# Altium PCB board.PcbDoc (part 2 of 2)
Units mm, origin at the board's own origin, x right, y up, seen from the top; angles counter-clockwise.
Board outline 58 x 79 mm, 2 copper layers (Top Layer, Bottom Layer), stack 0.97 mm thick; 229 components, 199 nets, 681 pads, 81 vias.
Unrouted connection lines stored in the file: 8.
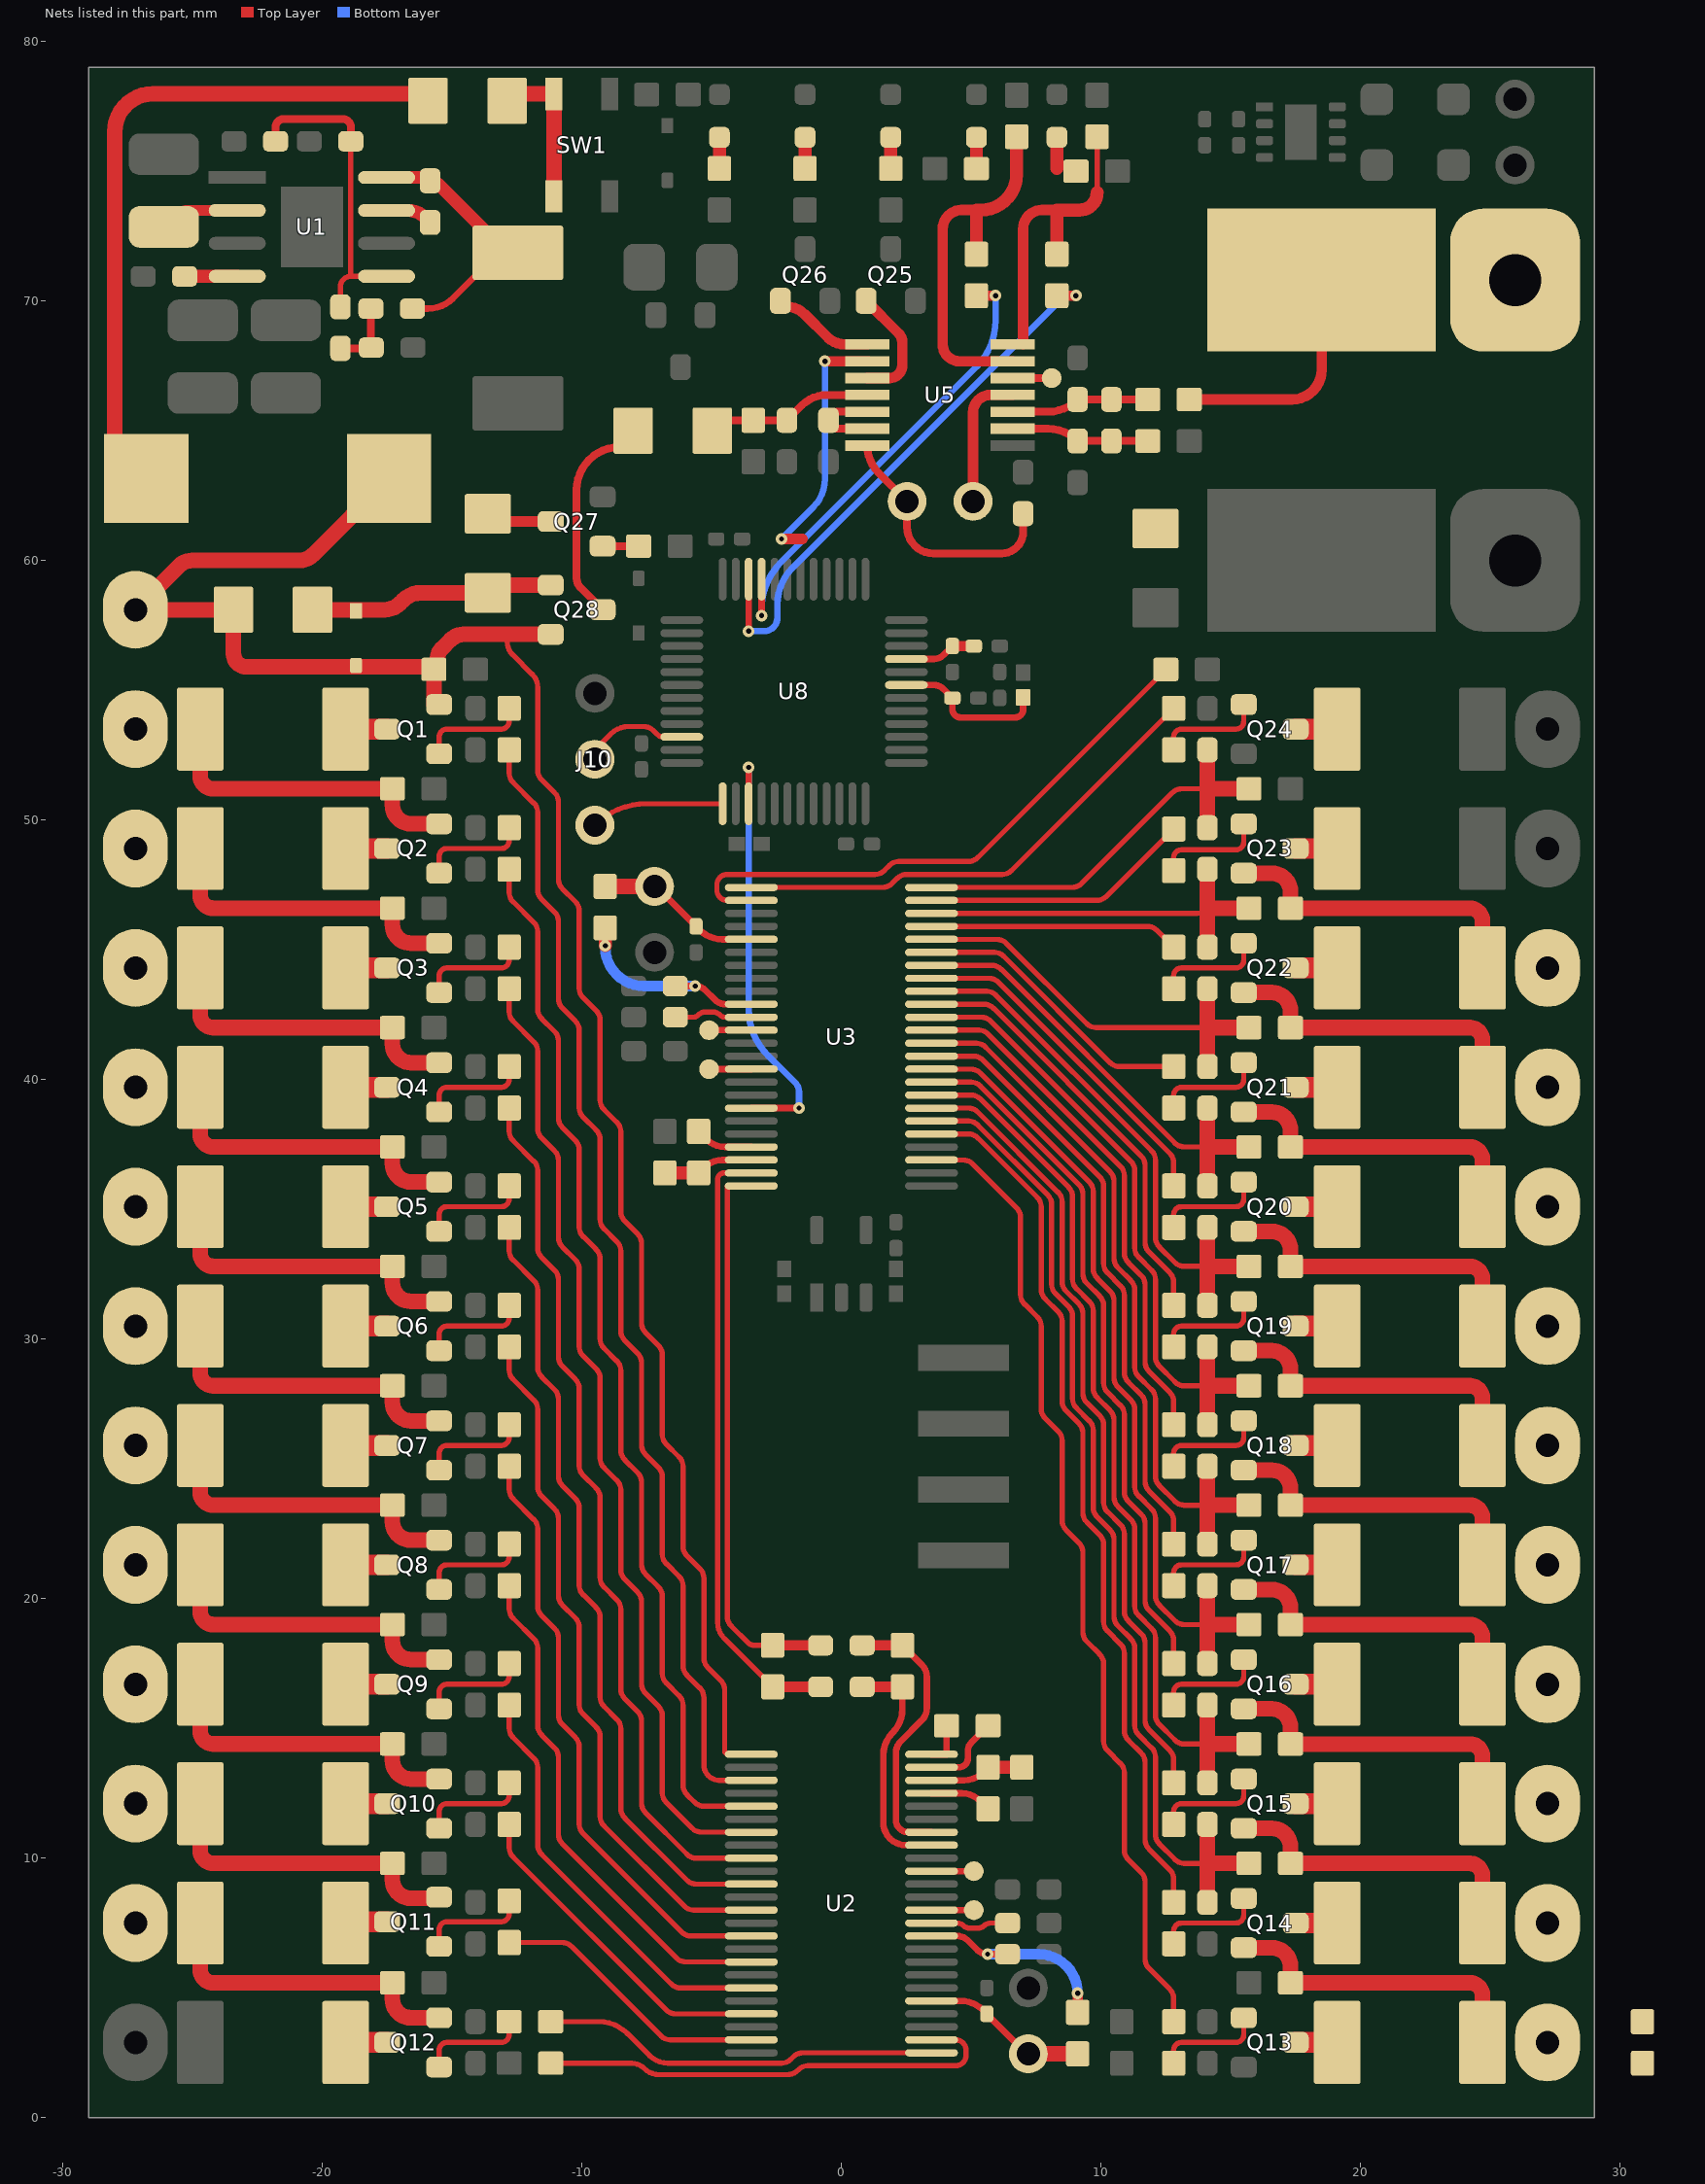
[diagram p2: the nets of this part, all layers, seen from the top]

## Via types
v1: diameter 0.45, hole 0.2, Top Layer to Bottom Layer, tented both sides, 57 vias
v2: diameter 0.6, hole 0.3, Top Layer to Bottom Layer, tented both sides, 24 vias

## Nets (pads, with @x,y where several pads share a name; then routed paths per layer and width w, separated by ;. In a path a pad name is that pad's centre, name@x,y a point inside that pad or via, vN(x,y) a via of type N, cw(c..) or ccw(c..) an arc to the next point about the centre after c; other vN are vias at no path point) (continued)
NetC15_1: C15.1 C16.2 R40.2 U3.6 | length 38.9
  Top Layer w0.2: U3.6@3.47,38.4 4.89,38.4 cw(c4.89,37.892) 5.249,38.251 7.951,35.549 cw(c7.592,35.19) 8.1,35.19 8.1,32.11 ccw(c8.608,32.11) 8.249,31.751 8.751,31.249 cw(c8.392,30.89) 8.9,30.89 8.9,27.71 ccw(c9.408,27.71) 9.049,27.351 9.551,26.849 cw(c9.192,26.49) 9.7,26.49 ; 9.7,26.49 9.7,23.51 ccw(c10.208,23.51) 9.849,23.151 10.351,22.649 cw(c9.992,22.29) 10.5,22.29 10.5,19.31 ccw(c11.008,19.31) 10.649,18.951 11.151,18.449 cw(c10.792,18.09) 11.3,18.09 11.3,15.11 ccw(c11.808,15.11) 11.449,14.751 11.951,14.249 cw(c11.592,13.89) 12.1,13.89 12.1,10.91 ccw(c12.608,10.91) 12.249,10.551 12.851,9.949 ccw(c13.21,10.308) 13.21,9.8 14.1,9.8
  Top Layer w0.6: C15.1@14.1,8.3 14.1,9.8 ; C16.2@14.1,11.3 14.1,9.8 ; R40.2@15.7,9.8 14.1,9.8
NetC16_1: C16.1 C17.2 R41.2 U3.8 | length 35.4
  Top Layer w0.2: U3.8@3.47,39.4 4.99,39.4 cw(c4.99,38.892) 5.349,39.251 8.751,35.849 cw(c8.392,35.49) 8.9,35.49 8.9,32.31 ccw(c9.408,32.31) 9.049,31.951 9.551,31.449 cw(c9.192,31.09) 9.7,31.09 ; 9.7,31.09 9.7,28.11 ccw(c10.208,28.11) 9.849,27.751 10.351,27.249 cw(c9.992,26.89) 10.5,26.89 10.5,23.91 ccw(c11.008,23.91) 10.649,23.551 11.151,23.049 cw(c10.792,22.69) 11.3,22.69 11.3,19.71 ccw(c11.808,19.71) 11.449,19.351 11.951,18.849 cw(c11.592,18.49) 12.1,18.49 12.1,15.51 ccw(c12.608,15.51) 12.249,15.151 12.851,14.549 ccw(c13.21,14.908) 13.21,14.4 14.1,14.4
  Top Layer w0.6: C16.1@14.1,12.9 14.1,14.4 ; C17.2@14.1,15.9 14.1,14.4 ; R41.2@15.7,14.4 14.1,14.4
NetC17_1: C17.1 C18.2 R42.2 U3.10 | length 31.8
  Top Layer w0.2: U3.10@3.47,40.4 4.99,40.4 cw(c4.99,39.892) 5.349,40.251 9.551,36.049 cw(c9.192,35.69) 9.7,35.69 ; 9.7,35.69 9.7,32.71 ccw(c10.208,32.71) 9.849,32.351 10.351,31.849 cw(c9.992,31.49) 10.5,31.49 10.5,28.51 ccw(c11.008,28.51) 10.649,28.151 11.151,27.649 cw(c10.792,27.29) 11.3,27.29 11.3,24.31 ccw(c11.808,24.31) 11.449,23.951 11.951,23.449 cw(c11.592,23.09) 12.1,23.09 12.1,20.11 ccw(c12.608,20.11) 12.249,19.751 12.851,19.149 ccw(c13.21,19.508) 13.21,19 14.1,19
  Top Layer w0.6: C17.1@14.1,17.5 14.1,19 ; C18.2@14.1,20.5 14.1,19 ; R42.2@15.7,19 14.1,19
NetC18_1: C18.1 C19.2 R43.2 U3.12 | length 28.4
  Top Layer w0.2: U3.12@3.47,41.4 5.19,41.4 cw(c5.19,40.892) 5.549,41.251 10.351,36.449 cw(c9.992,36.09) 10.5,36.09 10.5,33.11 ccw(c11.008,33.11) 10.649,32.751 11.151,32.249 cw(c10.792,31.89) 11.3,31.89 11.3,28.91 ccw(c11.808,28.91) 11.449,28.551 11.951,28.049 cw(c11.592,27.69) 12.1,27.69 12.1,24.71 ccw(c12.608,24.71) 12.249,24.351 12.851,23.749 ccw(c13.21,24.108) 13.21,23.6 14.1,23.6
  Top Layer w0.6: C18.1@14.1,22.1 14.1,23.6 ; C19.2@14.1,25.1 14.1,23.6 ; R43.2@15.7,23.6 14.1,23.6
NetC19_1: C19.1 C20.2 R44.2 U3.14 | length 25
  Top Layer w0.2: U3.14@3.47,42.4 5.39,42.4 cw(c5.39,41.892) 5.749,42.251 11.151,36.849 cw(c10.792,36.49) 11.3,36.49 11.3,33.51 ccw(c11.808,33.51) 11.449,33.151 11.951,32.649 cw(c11.592,32.29) 12.1,32.29 12.1,29.31 ccw(c12.608,29.31) 12.249,28.951 12.851,28.349 ccw(c13.21,28.708) 13.21,28.2 14.1,28.2
  Top Layer w0.6: C19.1@14.1,26.7 14.1,28.2 R44.2@15.7,28.2 ; 14.1,28.2 C20.2@14.1,29.7
NetC20_1: C20.1 C21.2 R45.2 U3.16 | length 21.5
  Top Layer w0.2: U3.16@3.47,43.4 5.59,43.4 cw(c5.59,42.892) 5.949,43.251 11.951,37.249 cw(c11.592,36.89) 12.1,36.89 12.1,33.91 ccw(c12.608,33.91) 12.249,33.551 12.851,32.949 ccw(c13.21,33.308) 13.21,32.8 14.1,32.8
  Top Layer w0.6: C20.1@14.1,31.3 14.1,32.8 ; C21.2@14.1,34.3 14.1,32.8 ; R45.2@15.7,32.8 14.1,32.8
NetC21_1: C21.1 C22.2 R46.2 U3.18 | length 18.1
  Top Layer w0.2: U3.18@3.47,44.4 5.79,44.4 cw(c5.79,43.892) 6.149,44.251 12.851,37.549 ccw(c13.21,37.908) 13.21,37.4 14.1,37.4
  Top Layer w0.6: C21.1@14.1,35.9 14.1,37.4 ; C22.2@14.1,38.9 14.1,37.4 ; R46.2@15.7,37.4 14.1,37.4
NetC22_1: C22.1 C23.2 R47.2 U3.20 | length 16.6
  Top Layer w0.2: U3.20@3.47,45.4 5.99,45.4 cw(c5.99,44.892) 6.349,45.251 9.451,42.149 ccw(c9.81,42.508) 9.81,42 14.1,42
  Top Layer w0.6: C22.1@14.1,40.5 14.1,42 ; C23.2@14.1,43.5 14.1,42 ; R47.2@15.7,42 14.1,42
NetC23_1: C23.1 C24.2 R48.2 U3.22 | length 15.2
  Top Layer w0.2: U3.22@3.47,46.4 13.69,46.4 ccw(c13.69,46.908) 14.049,46.549
  Top Layer w0.6: C23.1@14.1,45.1 14.1,46.6 ; C24.2@14.1,48.1 14.1,46.6 ; R48.2@15.7,46.6 14.1,46.6
NetC24_1: C24.1 C25.2 R49.2 U3.24 | length 16.8
  Top Layer w0.2: U3.24@3.47,47.4 8.89,47.4 ccw(c8.89,47.908) 9.249,47.549 12.751,51.051 cw(c13.11,50.692) 13.11,51.2 14.1,51.2
  Top Layer w0.6: C24.1@14.1,49.7 14.1,51.2 ; C25.2@14.1,52.7 14.1,51.2 ; R49.2@15.7,51.2 14.1,51.2
NetC26_1: C26.1 U1.7 | length 1.8
  Top Layer w0.5: U1.7@-17.525,73.485 -16.714,73.485 cw(c-16.714,72.494) -16.013,73.195 C26.1@-15.844,73.025
NetC26_2: C26.2 L1.1 R76.1 U1.8 | length 9.4
  Top Layer w0.25: R76.1@-16.525,69.7 -15.937,69.7 ccw(c-15.937,71.082) -14.96,70.105 L1.1@-13.276,71.789
  Top Layer w0.5: U1.8@-17.525,74.755 -16.202,74.755 cw(c-16.202,73.764) -15.501,74.465 L1.1@-13.177,72.14
NetC27_1: C27.1 C28.2 R76.2 | length 2.7
  Top Layer w0.3: C28.2@-19.3,68.169 -18.194,68.169 ccw(c-18.194,68.238) C27.1@-18.125,68.238 ; R76.2@-18.125,69.7 C27.1@-18.125,68.238 ; C27.1@-18.109,68.2 cw(c-18.071,68.238) C27.1@-18.125,68.238
NetC28_1: C28.1 R77.2 R78.1 U1.5 | length 12.3
  Top Layer w0.2: C28.1@-19.3,69.769 -19.3,70.545 cw(c-18.9,70.545) -18.9,70.945 ; R78.1@-18.9,76.15 -18.9,70.945 ; U1.5@-17.525,70.945 -18.9,70.945
  Top Layer w0.3: R77.2@-21.8,76.15 -21.8,76.7 cw(c-21.5,76.7) -21.5,77 -19.2,77 cw(c-19.2,76.7) -18.9,76.7 R78.1@-18.9,76.15
NetC32_2: C32.2 R94.1 U2.34 | length 8.2
  Top Layer w0.25: U2.34@3.47,7 4.455,7 cw(c4.455,6.409) 4.873,6.827 5.236,6.464 ccw(c5.631,6.859) v1(5.631,6.3) C32.2@6.4,6.3
  Top Layer w0.4: R94.1@9.1,4.06 v1(9.1,4.795)
  Bottom Layer w0.4: v1(5.631,6.3) 7.595,6.3 cw(c7.595,4.795) v1(9.1,4.795)
NetC33_2: C33.2 R95.1 U3.34 | length 8.2
  Top Layer w0.25: C33.2@-6.4,43.6 v1(-5.631,43.6) cw(c-5.631,43.041) -5.236,43.436 -4.873,43.073 ccw(c-4.455,43.491) -4.455,42.9 U3.34@-3.47,42.9
  Top Layer w0.5: v1(-9.1,45.154) R95.1@-9.1,45.84
  Bottom Layer w0.4: v1@-9.1,45.105 ccw(c-7.595,45.105) -7.595,43.6 v1(-5.631,43.6)
NetC34_2: C34.2 U2.35 | length 3
  Top Layer w0.2: U2.35@3.47,7.5 4.459,7.5 cw(c4.459,7.159) 4.7,7.4 ccw(c4.941,7.641) 4.941,7.3 5.259,7.3 ccw(c5.259,7.641) 5.5,7.4 cw(c5.741,7.159) 5.741,7.5 C34.2@6.4,7.5
NetC35_2: C35.2 U3.35 | length 3
  Top Layer w0.2: C35.2@-6.4,42.4 -5.741,42.4 ccw(c-5.741,42.741) -5.5,42.5 cw(c-5.259,42.259) -5.259,42.6 -4.941,42.6 cw(c-4.941,42.259) -4.7,42.5 ccw(c-4.459,42.741) -4.459,42.4 U3.35@-3.47,42.4
NetC38_2: C38.2 J5.1 R94.2 U2.29 | length 6.4
  Top Layer w0.25: U2.29@3.47,4.5 4.581,4.5 cw(c4.581,3.248) 5.467,4.133 C38.2@5.6,4 7.098,2.502 ccw(c7.2,2.605) J5.1@7.2,2.46
  Top Layer w0.6: J5.1@7.2,2.46 R94.2@9.1,2.46
NetC39_2: C39.2 J6.1 R95.2 U3.29 | length 6.4
  Top Layer w0.25: J6.1@-7.2,47.44 cw(c-7.2,47.295) -7.098,47.398 C39.2@-5.6,45.9 -5.467,45.767 ccw(c-4.581,46.652) -4.581,45.4 U3.29@-3.47,45.4
  Top Layer w0.6: R95.2@-9.1,47.44 J6.1@-7.2,47.44
NetC40_1: C40.1 R98.2 U3.47 | length 23.7
  Top Layer w0.2: U3.47@-3.47,36.4 -4.52,36.4 ccw(c-4.52,36.149) -4.771,36.149 -4.771,19.082 ccw(c-3.901,19.082) -4.516,18.466 R98.2@-2.65,16.6
  Top Layer w0.4: R98.2@-2.65,16.6 C40.1@-0.8,16.6
NetC40_2: C40.2 R97.2 U2.41 | length 9.3
  Top Layer w0.25: R97.2@2.35,16.6 2.35,15.748 cw(c1.055,15.748) 1.971,14.832 1.968,14.83 ccw(c2.836,13.964) 1.61,13.964 1.61,11.38 ccw(c2.489,11.38) 2.489,10.5 U2.41@3.47,10.5
  Top Layer w0.4: C40.2@0.8,16.6 R97.2@2.35,16.6
NetC41_2: C41.2 F2.1 U5.5 U5.6 | length 3.3
  Top Layer w0.3: U5.6@1,65.075 -0.175,65.075 C41.2@-0.5,65.4 -0.175,65.725 U5.5@1,65.725
NetC42_1: C42.1 R98.1 U3.48 | length 21.7
  Top Layer w0.2: U3.48@-3.47,35.9 -4.4,35.9 -4.4,19.31 ccw(c-3.892,19.31) -4.251,18.951 -3.6,18.3 ccw(c-3.36,18.54) -3.36,18.2 R98.1@-2.65,18.2 R98.1@-2.5,18.2
  Top Layer w0.4: R98.1@-2.5,18.2 C42.1@-0.8,18.2
NetC42_2: C42.2 R97.1 U2.42 | length 10.7
  Top Layer w0.25: R97.1@2.35,18.2 3.091,17.46 cw(c2.607,16.976) 3.291,16.976 3.291,15.788 cw(c2.607,15.788) 3.091,15.305 2.281,14.496 ccw(c2.721,14.057) 2.1,14.057 2.1,11.475 ccw(c2.575,11.475) 2.575,11 U2.42@3.47,11
  Top Layer w0.4: C42.2@0.8,18.2 R97.1@2.35,18.2
NetC44_2: C44.2 C45.2 R103.2 U5.10 | length 5.3
  Top Layer w0.3: U5.10@6.6,65.725 7.953,65.725 ccw(c7.953,67.347) C44.2@9.1,66.2 C45.2@10.4,66.2 R103.2@11.8,66.2
NetC45_1: C45.1 C46.2 R104.2 U5.9 | length 5.3
  Top Layer w0.3: U5.9@6.6,65.075 7.953,65.075 cw(c7.953,63.453) C46.2@9.1,64.6 C45.1@10.4,64.6 R104.2@11.8,64.6
NetC49_1: C49.1 R108.1 R109.2 U5.4 | length 6.5
  Top Layer w0.3: R108.1@-4.976,65 -4.725,65.251 cw(c-4.365,64.892) -4.365,65.4 R109.2@-3.4,65.4 C49.1@-2.1,65.4 -1.527,65.973 cw(c-0.557,65.003) -0.557,66.375 U5.4@1,66.375
NetC54_2: C54.2 R111.2 U8.7 | length 5.9
  Top Layer w0.25: U8.7@2.5,55.2 3.565,55.2 cw(c3.565,54.692) 3.924,55.051 C54.2@4.275,54.7 4.275,54.266 ccw(c4.591,54.266) 4.591,53.95 6.7,53.95 ccw(c6.7,54.25) 7,54.25 R111.2@7,54.724
NetC55_2: C55.2 L2.2 U8.9 | length 2.8
  Top Layer w0.25: U8.9@2.5,56.2 3.565,56.2 ccw(c3.565,56.708) 3.924,56.349 C55.2@4.275,56.7
  Top Layer w0.4: C55.2@4.275,56.7 L2.2@5.099,56.7
NetD1_2: D1.2 R85.2 | length 1.2
  Top Layer w0.5: R85.2@5.2,75.1 D1.2@5.2,76.3
NetD2_2: D2.2 R90.2 | length 1.2
  Top Layer w0.5: 8.3,75.1 D2.2@8.3,76.3
NetD3_2: D3.2 R93.2 | length 1.2
  Top Layer w0.5: R93.2@1.9,75.1 D3.2@1.9,76.3
NetD4_2: D4.2 R96.2 | length 1.2
  Top Layer w0.5: R96.2@-1.4,75.1 D4.2@-1.4,76.3
NetD7_1: D7.1 R107.1 | length 1.2
  Top Layer w0.5: R107.1@-4.7,75.1 D7.1@-4.7,76.3
NetD8_1: D8.1 Q28.1 R105.1 R106.2 | length 9.7
  Top Layer w0.6: R105.1@-20.376,58.1 -18.7,58.1 -17.599,58.1 ccw(c-17.599,58.934) -17.009,58.344 -16.891,58.463 cw(c-16.195,57.767) -16.195,58.751 R106.2@-13.624,58.751 -13.624,59.05 Q28.1@-11.2,59.05
NetJ1_1: J1.1 U2.39 | length 1.6
  Top Layer w0.25: U2.39@3.47,9.5 J1.1@5.1,9.5
NetJ2_1: J2.1 U2.36 | length 1.6
  Top Layer w0.25: U2.36@3.47,8 J2.1@5.1,8
NetJ3_1: J3.1 U3.39 | length 1.6
  Top Layer w0.25: J3.1@-5.1,40.4 U3.39@-3.47,40.4
NetJ4_1: J4.1 U3.36 | length 1.6
  Top Layer w0.25: J4.1@-5.1,41.9 U3.36@-3.47,41.9
NetJ7_1: J7.1 U5.12 | length 1.5
  Top Layer w0.3: U5.12@6.6,67.025 J7.1@8.1,67.025
NetJ8_2: J8.2 U5.11 | length 5.3
  Top Layer w0.4: J8.2@5.07,62.275 5.07,65.7 cw(c5.745,65.7) 5.745,66.375 U5.11@6.6,66.375
NetQ1_1: Q1.1 R50.1 | length 4.2
  Top Layer w0.2: Q1.1@-15.5,52.55 -15.5,53.195 cw(c-15.195,53.195) -15.195,53.5 -13.105,53.5 ccw(c-13.105,53.805) -12.8,53.805 R50.1@-12.8,54.3
NetQ1_3: Q1.3 R1.1 | length 1.6
  Top Layer w0.8: R1.1@-19.1,53.5 Q1.3@-17.5,53.5
NetQ2_1: Q2.1 R51.1 | length 4.2
  Top Layer w0.2: Q2.1@-15.5,47.95 -15.5,48.595 cw(c-15.195,48.595) -15.195,48.9 -13.105,48.9 ccw(c-13.105,49.205) -12.8,49.205 R51.1@-12.8,49.7
NetQ2_2: pad.*@-27.2,53.5 Q2.2 R1.2 R27.1 | length 12.3
  Top Layer w0.6: R1.2@-24.7,53.5 -24.7,51.699 ccw(c-24.201,51.699) -24.201,51.2 R27.1@-17.3,51.2 -17.3,50.575 ccw(c-16.575,50.575) -16.575,49.85 Q2.2@-15.5,49.85
NetQ2_3: Q2.3 R2.1 | length 1.6
  Top Layer w0.8: R2.1@-19.1,48.9 Q2.3@-17.5,48.9
NetQ3_1: Q3.1 R52.1 | length 4.2
  Top Layer w0.2: Q3.1@-15.5,43.35 -15.5,43.995 cw(c-15.195,43.995) -15.195,44.3 -13.105,44.3 ccw(c-13.105,44.605) -12.8,44.605 R52.1@-12.8,45.1
NetQ3_2: pad.*@-27.2,48.9 Q3.2 R2.2 R28.1 | length 12.3
  Top Layer w0.6: R2.2@-24.7,48.9 -24.7,47.099 ccw(c-24.201,47.099) -24.201,46.6 R28.1@-17.3,46.6 -17.3,45.975 ccw(c-16.575,45.975) -16.575,45.25 Q3.2@-15.5,45.25
NetQ3_3: Q3.3 R3.1 | length 1.6
  Top Layer w0.8: R3.1@-19.1,44.3 Q3.3@-17.5,44.3
NetQ4_1: Q4.1 R53.1 | length 4.2
  Top Layer w0.2: Q4.1@-15.5,38.75 -15.5,39.395 cw(c-15.195,39.395) -15.195,39.7 -13.105,39.7 ccw(c-13.105,40.005) -12.8,40.005 R53.1@-12.8,40.5
NetQ4_2: pad.*@-27.2,44.3 Q4.2 R3.2 R29.1 | length 12.3
  Top Layer w0.6: R3.2@-24.7,44.3 -24.7,42.499 ccw(c-24.201,42.499) -24.201,42 R29.1@-17.3,42 -17.3,41.375 ccw(c-16.575,41.375) -16.575,40.65 Q4.2@-15.5,40.65
NetQ4_3: Q4.3 R4.1 | length 1.6
  Top Layer w0.8: R4.1@-19.1,39.7 Q4.3@-17.5,39.7
NetQ5_1: Q5.1 R54.1 | length 4.2
  Top Layer w0.2: Q5.1@-15.5,34.15 -15.5,34.795 cw(c-15.195,34.795) -15.195,35.1 -13.105,35.1 ccw(c-13.105,35.405) -12.8,35.405 R54.1@-12.8,35.9
NetQ5_2: pad.*@-27.2,39.7 Q5.2 R4.2 R30.1 | length 12.3
  Top Layer w0.6: R4.2@-24.7,39.7 -24.7,37.899 ccw(c-24.201,37.899) -24.201,37.4 R30.1@-17.3,37.4 -17.3,36.775 ccw(c-16.575,36.775) -16.575,36.05 Q5.2@-15.5,36.05
NetQ5_3: Q5.3 R5.1 | length 1.6
  Top Layer w0.8: R5.1@-19.1,35.1 Q5.3@-17.5,35.1
NetQ6_1: Q6.1 R55.1 | length 4.2
  Top Layer w0.2: Q6.1@-15.5,29.55 -15.5,30.195 cw(c-15.195,30.195) -15.195,30.5 -13.105,30.5 ccw(c-13.105,30.805) -12.8,30.805 R55.1@-12.8,31.3
NetQ6_2: pad.*@-27.2,35.1 Q6.2 R5.2 R31.1 | length 12.3
  Top Layer w0.6: R5.2@-24.7,35.1 -24.7,33.299 ccw(c-24.201,33.299) -24.201,32.8 R31.1@-17.3,32.8 -17.3,32.175 ccw(c-16.575,32.175) -16.575,31.45 Q6.2@-15.5,31.45
NetQ6_3: Q6.3 R6.1 | length 1.6
  Top Layer w0.8: R6.1@-19.1,30.5 Q6.3@-17.5,30.5
NetQ7_1: Q7.1 R56.1 | length 4.2
  Top Layer w0.2: Q7.1@-15.5,24.95 -15.5,25.595 cw(c-15.195,25.595) -15.195,25.9 -13.105,25.9 ccw(c-13.105,26.205) -12.8,26.205 R56.1@-12.8,26.7
NetQ7_2: pad.*@-27.2,30.5 Q7.2 R6.2 R32.1 | length 12.3
  Top Layer w0.6: R6.2@-24.7,30.5 -24.7,28.699 ccw(c-24.201,28.699) -24.201,28.2 R32.1@-17.3,28.2 -17.3,27.575 ccw(c-16.575,27.575) -16.575,26.85 Q7.2@-15.5,26.85
NetQ7_3: Q7.3 R7.1 | length 1.6
  Top Layer w0.8: R7.1@-19.1,25.9 Q7.3@-17.5,25.9
NetQ8_1: Q8.1 R57.1 | length 4.2
  Top Layer w0.2: Q8.1@-15.5,20.35 -15.5,20.995 cw(c-15.195,20.995) -15.195,21.3 -13.105,21.3 ccw(c-13.105,21.605) -12.8,21.605 R57.1@-12.8,22.1
NetQ8_2: pad.*@-27.2,25.9 Q8.2 R7.2 R33.1 | length 12.3
  Top Layer w0.6: R7.2@-24.7,25.9 -24.7,24.099 ccw(c-24.201,24.099) -24.201,23.6 R33.1@-17.3,23.6 -17.3,22.975 ccw(c-16.575,22.975) -16.575,22.25 Q8.2@-15.5,22.25
NetQ8_3: Q8.3 R8.1 | length 1.6
  Top Layer w0.8: R8.1@-19.1,21.3 Q8.3@-17.5,21.3
NetQ9_1: Q9.1 R58.1 | length 4.2
  Top Layer w0.2: Q9.1@-15.5,15.75 -15.5,16.395 cw(c-15.195,16.395) -15.195,16.7 -13.105,16.7 ccw(c-13.105,17.005) -12.8,17.005 R58.1@-12.8,17.5
NetQ9_2: pad.*@-27.2,21.3 Q9.2 R8.2 R34.1 | length 12.3
  Top Layer w0.6: R8.2@-24.7,21.3 -24.7,19.499 ccw(c-24.201,19.499) -24.201,19 R34.1@-17.3,19 -17.3,18.375 ccw(c-16.575,18.375) -16.575,17.65 Q9.2@-15.5,17.65
NetQ9_3: Q9.3 R9.1 | length 1.6
  Top Layer w0.8: R9.1@-19.1,16.7 Q9.3@-17.5,16.7
NetQ10_1: Q10.1 R59.1 | length 4.2
  Top Layer w0.2: Q10.1@-15.5,11.15 -15.5,11.795 cw(c-15.195,11.795) -15.195,12.1 -13.105,12.1 ccw(c-13.105,12.405) -12.8,12.405 R59.1@-12.8,12.9
NetQ10_2: pad.*@-27.2,16.7 Q10.2 R9.2 R35.1 | length 12.3
  Top Layer w0.6: R9.2@-24.7,16.7 -24.7,14.899 ccw(c-24.201,14.899) -24.201,14.4 R35.1@-17.3,14.4 -17.3,13.775 ccw(c-16.575,13.775) -16.575,13.05 Q10.2@-15.5,13.05
NetQ10_3: Q10.3 R10.1 | length 1.6
  Top Layer w0.8: R10.1@-19.1,12.1 Q10.3@-17.5,12.1
NetQ11_1: Q11.1 R60.1 | length 4.2
  Top Layer w0.2: Q11.1@-15.5,6.6 -15.5,7.245 cw(c-15.195,7.245) -15.195,7.55 -13.105,7.55 ccw(c-13.105,7.855) -12.8,7.855 R60.1@-12.8,8.35
NetQ11_2: pad.*@-27.2,12.1 Q11.2 R10.2 R36.1 | length 12.3
  Top Layer w0.6: R10.2@-24.7,12.1 -24.7,10.299 ccw(c-24.201,10.299) -24.201,9.8 R36.1@-17.3,9.8 -17.3,9.175 ccw(c-16.575,9.175) -16.575,8.45 Q11.2@-15.5,8.45
NetQ11_3: Q11.3 R11.1 | length 1.6
  Top Layer w0.8: R11.1@-19.1,7.55 Q11.3@-17.5,7.55
NetQ12_1: Q12.1 R61.1 | length 4.2
  Top Layer w0.2: Q12.1@-15.5,1.95 -15.5,2.595 cw(c-15.195,2.595) -15.195,2.9 -13.105,2.9 ccw(c-13.105,3.205) -12.8,3.205 R61.1@-12.8,3.7
NetQ12_2: pad.*@-27.2,7.5 Q12.2 R11.2 R37.1 | length 12.3
  Top Layer w0.6: R11.2@-24.7,7.5 -24.7,5.699 ccw(c-24.201,5.699) -24.201,5.2 R37.1@-17.3,5.2 -17.3,4.575 ccw(c-16.575,4.575) -16.575,3.85 Q12.2@-15.5,3.85
NetQ12_3: Q12.3 R12.1 | length 1.6
  Top Layer w0.8: R12.1@-19.1,2.9 Q12.3@-17.5,2.9
NetQ13_1: Q13.1 R63.1 | length 4.7
  Top Layer w0.2: Q13.1@15.5,3.85 15.5,3.205 cw(c15.195,3.205) 15.195,2.9 13.105,2.9 ccw(c13.105,2.595) 12.8,2.595 ; 12.8,2.595 R63.1@12.8,2.1 12.8,2.595
NetQ13_3: Q13.3 R13.1 | length 1.6
  Top Layer w0.8: Q13.3@17.5,2.9 R13.1@19.1,2.9
NetQ14_1: Q14.1 R64.1 | length 4.2
  Top Layer w0.2: R64.1@12.8,6.7 12.8,7.195 cw(c13.105,7.195) 13.105,7.5 15.195,7.5 ccw(c15.195,7.805) 15.5,7.805 Q14.1@15.5,8.45
NetQ14_2: pad.*@27.2,2.9 Q14.2 R13.2 R39.1 | length 12.3
  Top Layer w0.6: Q14.2@15.5,6.55 16.575,6.55 cw(c16.575,5.825) 17.3,5.825 R39.1@17.3,5.2 24.201,5.2 cw(c24.201,4.701) 24.7,4.701 R13.2@24.7,2.9
NetQ14_3: Q14.3 R14.1 | length 1.6
  Top Layer w0.8: Q14.3@17.5,7.5 R14.1@19.1,7.5
NetQ15_1: Q15.1 R65.1 | length 4.2
  Top Layer w0.2: R65.1@12.8,11.3 12.8,11.795 cw(c13.105,11.795) 13.105,12.1 15.195,12.1 ccw(c15.195,12.405) 15.5,12.405 Q15.1@15.5,13.05
NetQ15_2: pad.*@27.2,7.5 Q15.2 R14.2 R40.1 | length 12.3
  Top Layer w0.6: Q15.2@15.5,11.15 16.575,11.15 cw(c16.575,10.425) 17.3,10.425 R40.1@17.3,9.8 24.201,9.8 cw(c24.201,9.301) 24.7,9.301 R14.2@24.7,7.5
NetQ15_3: Q15.3 R15.1 | length 1.6
  Top Layer w0.8: Q15.3@17.5,12.1 R15.1@19.1,12.1
NetQ16_1: Q16.1 R66.1 | length 4.2
  Top Layer w0.2: R66.1@12.8,15.9 12.8,16.395 cw(c13.105,16.395) 13.105,16.7 15.195,16.7 ccw(c15.195,17.005) 15.5,17.005 Q16.1@15.5,17.65
NetQ16_2: pad.*@27.2,12.1 Q16.2 R15.2 R41.1 | length 12.3
  Top Layer w0.6: Q16.2@15.5,15.75 16.575,15.75 cw(c16.575,15.025) 17.3,15.025 R41.1@17.3,14.4 24.201,14.4 cw(c24.201,13.901) 24.7,13.901 R15.2@24.7,12.1
NetQ16_3: Q16.3 R16.1 | length 1.6
  Top Layer w0.8: Q16.3@17.5,16.7 R16.1@19.1,16.7
NetQ17_1: Q17.1 R67.1 | length 4.2